# EAGLE board 14202-RedBoard-Panel (EAGLE 9.0.1), part 4 of 6 (continued)
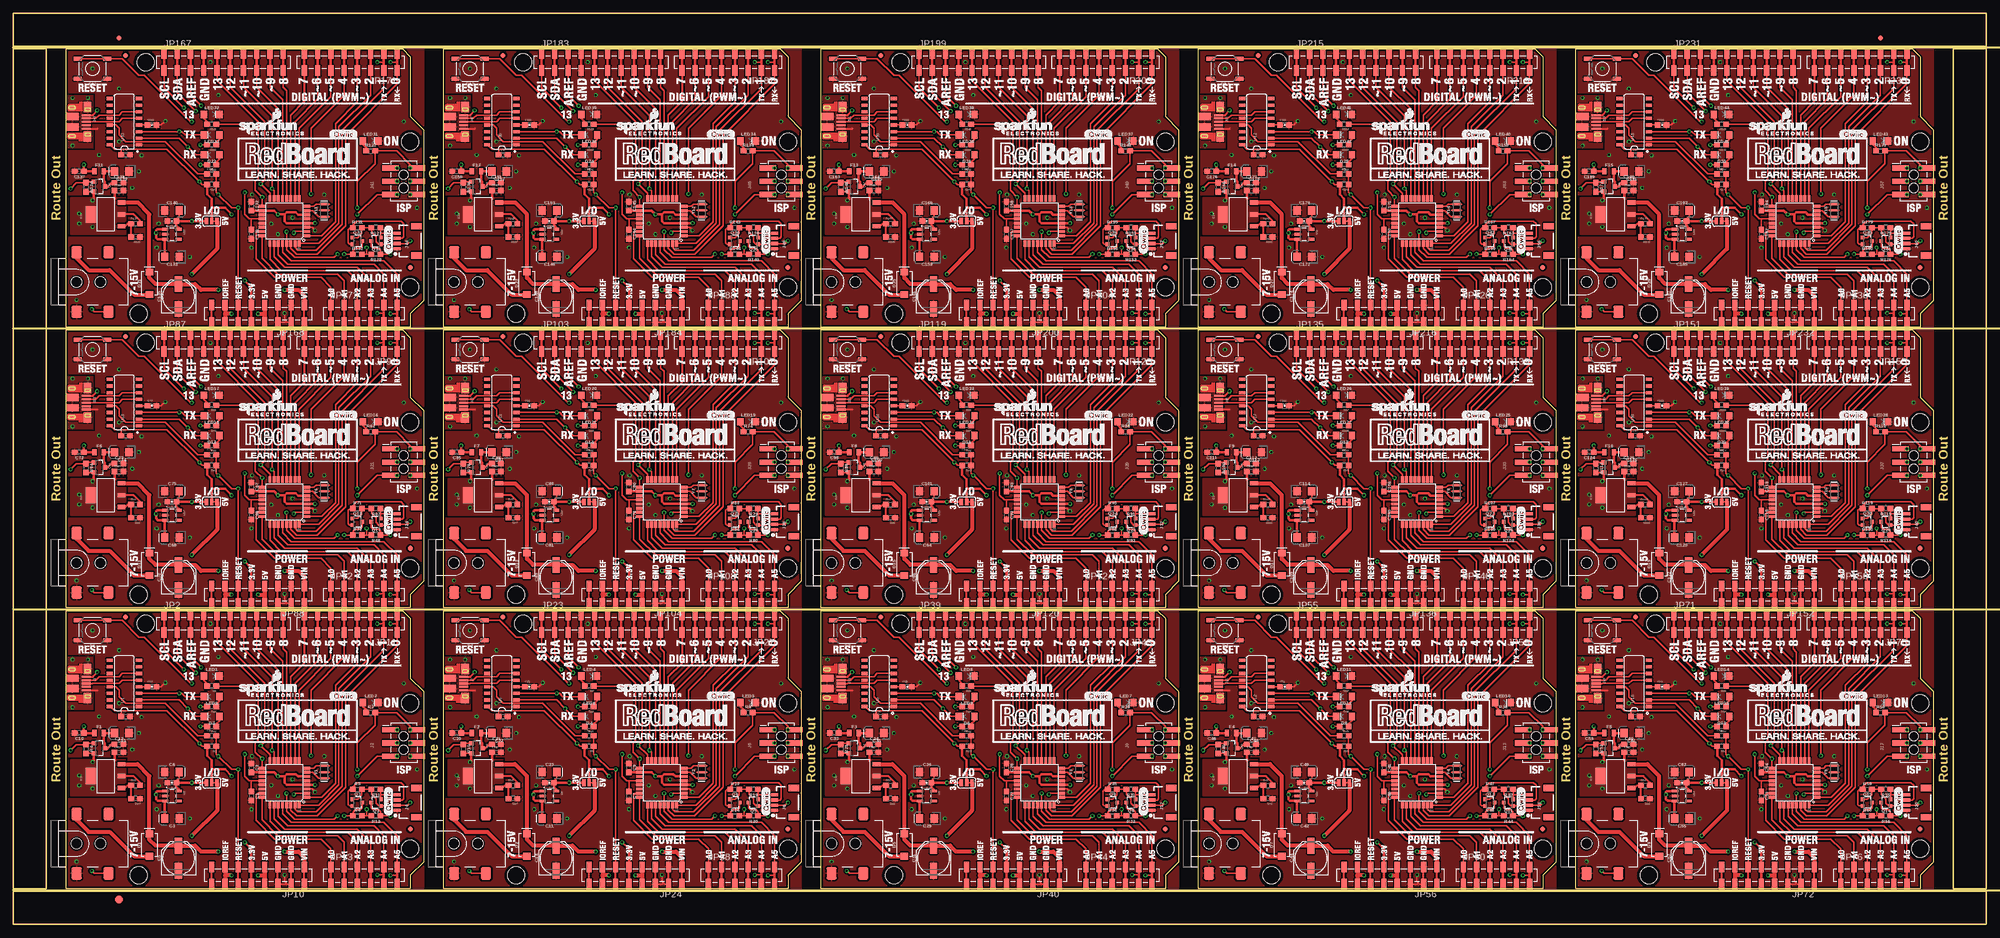
[diagram p0: board, top side]
## Tracks (layer width: path | path; a pad name or v marks a point on that pad's centre or on a via) (continued)
MISO  (via drill 0.38, 0.38 pad 0.51)
  Top 0.254: JP2.6A JP2.6B
  Top 0.305: U4.16 49.27,32.52 v47.5,34.29 48.26,35.05 48.26,46.23 41.66,52.83 JP2.6B | J2.1 TP4.P$1
  Bottom 0.305: v47.5,34.29 49.4,36.2 68.83,36.2 69.98,37.34 TP4.P$1
  other vias: 73.66,37.34
MISO1  (via drill 0.38, 0.38 pad 0.51)
  Top 0.254: JP23.6A JP23.6B
  Top 0.305: U2.16 121.66,32.52 v119.89,34.29 120.65,35.05 120.65,46.23 114.05,52.83 JP23.6B | J5.1 TP10.P$1
  Bottom 0.305: v119.89,34.29 121.79,36.2 141.22,36.2 142.37,37.34 TP10.P$1
  other vias: 146.05,37.34
MISO2  (via drill 0.38, 0.38 pad 0.51)
  Top 0.254: JP39.6A JP39.6B
  Top 0.305: U7.16 194.05,32.52 v192.28,34.29 193.04,35.05 193.04,46.23 186.44,52.83 JP39.6B | J9.1 TP16.P$1
  Bottom 0.305: v192.28,34.29 194.18,36.2 213.61,36.2 214.76,37.34 TP16.P$1
  other vias: 218.44,37.34
MISO3  (via drill 0.38, 0.38 pad 0.51)
  Top 0.254: JP55.6A JP55.6B
  Top 0.305: U10.16 266.44,32.52 v264.67,34.29 265.43,35.05 265.43,46.23 258.83,52.83 JP55.6B | J13.1 TP22.P$1
  Bottom 0.305: v264.67,34.29 266.57,36.2 286,36.2 287.15,37.34 TP22.P$1
  other vias: 290.83,37.34
MISO4  (via drill 0.38, 0.38 pad 0.51)
  Top 0.254: JP71.6A JP71.6B
  Top 0.305: U13.16 338.83,32.52 v337.06,34.29 337.82,35.05 337.82,46.23 331.22,52.83 JP71.6B | J17.1 TP28.P$1
  Bottom 0.305: v337.06,34.29 338.96,36.2 358.39,36.2 359.54,37.34 TP28.P$1
  other vias: 363.22,37.34
MISO5  (via drill 0.38, 0.38 pad 0.51)
  Top 0.254: JP87.6A JP87.6B
  Top 0.305: U16.16 49.27,86.37 v47.5,88.14 48.26,88.9 48.26,100.08 41.66,106.68 JP87.6B | J21.1 TP34.P$1
  Bottom 0.305: v47.5,88.14 49.4,90.04 68.83,90.04 69.98,91.19 TP34.P$1
  other vias: 73.66,91.19
MISO6  (via drill 0.38, 0.38 pad 0.51)
  Top 0.254: JP103.6A JP103.6B
  Top 0.305: U19.16 121.66,86.37 v119.89,88.14 120.65,88.9 120.65,100.08 114.05,106.68 JP103.6B | J25.1 TP40.P$1
  Bottom 0.305: v119.89,88.14 121.79,90.04 141.22,90.04 142.37,91.19 TP40.P$1
  other vias: 146.05,91.19
MISO7  (via drill 0.38, 0.38 pad 0.51)
  Top 0.254: JP119.6A JP119.6B
  Top 0.305: U22.16 194.05,86.37 v192.28,88.14 193.04,88.9 193.04,100.08 186.44,106.68 JP119.6B | J29.1 TP46.P$1
  Bottom 0.305: v192.28,88.14 194.18,90.04 213.61,90.04 214.76,91.19 TP46.P$1
  other vias: 218.44,91.19
MISO8  (via drill 0.38, 0.38 pad 0.51)
  Top 0.254: JP135.6A JP135.6B
  Top 0.305: U25.16 266.44,86.37 v264.67,88.14 265.43,88.9 265.43,100.08 258.83,106.68 JP135.6B | J33.1 TP52.P$1
  Bottom 0.305: v264.67,88.14 266.57,90.04 286,90.04 287.15,91.19 TP52.P$1
  other vias: 290.83,91.19
MISO9  (via drill 0.38, 0.38 pad 0.51)
  Top 0.254: JP151.6A JP151.6B
  Top 0.305: U28.16 338.83,86.37 v337.06,88.14 337.82,88.9 337.82,100.08 331.22,106.68 JP151.6B | J37.1 TP58.P$1
  Bottom 0.305: v337.06,88.14 338.96,90.04 358.39,90.04 359.54,91.19 TP58.P$1
  other vias: 363.22,91.19
MISO10  (via drill 0.38, 0.38 pad 0.51)
  Top 0.254: JP167.6A JP167.6B
  Top 0.305: U31.16 49.27,140.21 v47.5,141.99 48.26,142.75 48.26,153.92 41.66,160.53 JP167.6B | J41.1 TP64.P$1
  Bottom 0.305: v47.5,141.99 49.4,143.89 68.83,143.89 69.98,145.03 TP64.P$1
  other vias: 73.66,145.03
MISO11  (via drill 0.38, 0.38 pad 0.51)
  Top 0.254: JP183.6A JP183.6B
  Top 0.305: U34.16 121.66,140.21 v119.89,141.99 120.65,142.75 120.65,153.92 114.05,160.53 JP183.6B | J45.1 TP70.P$1
  Bottom 0.305: v119.89,141.99 121.79,143.89 141.22,143.89 142.37,145.03 TP70.P$1
  other vias: 146.05,145.03
MISO12  (via drill 0.38, 0.38 pad 0.51)
  Top 0.254: JP199.6A JP199.6B
  Top 0.305: U37.16 194.05,140.21 v192.28,141.99 193.04,142.75 193.04,153.92 186.44,160.53 JP199.6B | J49.1 TP76.P$1
  Bottom 0.305: v192.28,141.99 194.18,143.89 213.61,143.89 214.76,145.03 TP76.P$1
  other vias: 218.44,145.03
MISO13  (via drill 0.38, 0.38 pad 0.51)
  Top 0.254: JP215.6A JP215.6B
  Top 0.305: U40.16 266.44,140.21 v264.67,141.99 265.43,142.75 265.43,153.92 258.83,160.53 JP215.6B | J53.1 TP82.P$1
  Bottom 0.305: v264.67,141.99 266.57,143.89 286,143.89 287.15,145.03 TP82.P$1
  other vias: 290.83,145.03
MISO14  (via drill 0.38, 0.38 pad 0.51)
  Top 0.254: JP231.6A JP231.6B
  Top 0.305: U43.16 338.83,140.21 v337.06,141.99 337.82,142.75 337.82,153.92 331.22,160.53 JP231.6B | J57.1 TP88.P$1
  Bottom 0.305: v337.06,141.99 338.96,143.89 358.39,143.89 359.54,145.03 TP88.P$1
  other vias: 363.22,145.03
MOSI  (via drill 0.38, 0.38 pad 0.51)
  Top 0.254: JP2.7A JP2.7B
  Top 0.305: U4.15 50.07,32.99 v49.66,33.4 49.66,47.37 44.2,52.83 JP2.7B | J2.4 TP2.P$1
  Bottom 0.305: v49.66,33.4 67.06,33.4 71.12,29.34 75.06,29.34 77.47,31.75 77.47,34.29 76.96,34.8 TP2.P$1
  other vias: 76.2,34.8
MOSI1  (via drill 0.38, 0.38 pad 0.51)
  Top 0.254: JP23.7A JP23.7B
  Top 0.305: U2.15 122.46,32.99 v122.05,33.4 122.05,47.37 116.59,52.83 JP23.7B | J5.4 TP8.P$1
  Bottom 0.305: v122.05,33.4 139.45,33.4 143.51,29.34 147.45,29.34 149.86,31.75 149.86,34.29 149.35,34.8 TP8.P$1
  other vias: 148.59,34.8
MOSI2  (via drill 0.38, 0.38 pad 0.51)
  Top 0.254: JP39.7A JP39.7B
  Top 0.305: U7.15 194.85,32.99 v194.44,33.4 194.44,47.37 188.98,52.83 JP39.7B | J9.4 TP14.P$1
  Bottom 0.305: v194.44,33.4 211.84,33.4 215.9,29.34 219.84,29.34 222.25,31.75 222.25,34.29 221.74,34.8 TP14.P$1
  other vias: 220.98,34.8
MOSI3  (via drill 0.38, 0.38 pad 0.51)
  Top 0.254: JP55.7A JP55.7B
  Top 0.305: U10.15 267.24,32.99 v266.83,33.4 266.83,47.37 261.37,52.83 JP55.7B | J13.4 TP20.P$1
  Bottom 0.305: v266.83,33.4 284.23,33.4 288.29,29.34 292.23,29.34 294.64,31.75 294.64,34.29 294.13,34.8 TP20.P$1
  other vias: 293.37,34.8
MOSI4  (via drill 0.38, 0.38 pad 0.51)
  Top 0.254: JP71.7A JP71.7B
  Top 0.305: U13.15 339.63,32.99 v339.22,33.4 339.22,47.37 333.76,52.83 JP71.7B | J17.4 TP26.P$1
  Bottom 0.305: v339.22,33.4 356.62,33.4 360.68,29.34 364.62,29.34 367.03,31.75 367.03,34.29 366.52,34.8 TP26.P$1
  other vias: 365.76,34.8
MOSI5  (via drill 0.38, 0.38 pad 0.51)
  Top 0.254: JP87.7A JP87.7B
  Top 0.305: U16.15 50.07,86.84 v49.66,87.25 49.66,101.22 44.2,106.68 JP87.7B | J21.4 TP32.P$1
  Bottom 0.305: v49.66,87.25 67.06,87.25 71.12,83.19 75.06,83.19 77.47,85.6 77.47,88.14 76.96,88.65 TP32.P$1
  other vias: 76.2,88.65
MOSI6  (via drill 0.38, 0.38 pad 0.51)
  Top 0.254: JP103.7A JP103.7B
  Top 0.305: U19.15 122.46,86.84 v122.05,87.25 122.05,101.22 116.59,106.68 JP103.7B | J25.4 TP38.P$1
  Bottom 0.305: v122.05,87.25 139.45,87.25 143.51,83.19 147.45,83.19 149.86,85.6 149.86,88.14 149.35,88.65 TP38.P$1
  other vias: 148.59,88.65
MOSI7  (via drill 0.38, 0.38 pad 0.51)
  Top 0.254: JP119.7A JP119.7B
  Top 0.305: U22.15 194.85,86.84 v194.44,87.25 194.44,101.22 188.98,106.68 JP119.7B | J29.4 TP44.P$1
  Bottom 0.305: v194.44,87.25 211.84,87.25 215.9,83.19 219.84,83.19 222.25,85.6 222.25,88.14 221.74,88.65 TP44.P$1
  other vias: 220.98,88.65
MOSI8  (via drill 0.38, 0.38 pad 0.51)
  Top 0.254: JP135.7A JP135.7B
  Top 0.305: U25.15 267.24,86.84 v266.83,87.25 266.83,101.22 261.37,106.68 JP135.7B | J33.4 TP50.P$1
  Bottom 0.305: v266.83,87.25 284.23,87.25 288.29,83.19 292.23,83.19 294.64,85.6 294.64,88.14 294.13,88.65 TP50.P$1
  other vias: 293.37,88.65
MOSI9  (via drill 0.38, 0.38 pad 0.51)
  Top 0.254: JP151.7A JP151.7B
  Top 0.305: U28.15 339.63,86.84 v339.22,87.25 339.22,101.22 333.76,106.68 JP151.7B | J37.4 TP56.P$1
  Bottom 0.305: v339.22,87.25 356.62,87.25 360.68,83.19 364.62,83.19 367.03,85.6 367.03,88.14 366.52,88.65 TP56.P$1
  other vias: 365.76,88.65
MOSI10  (via drill 0.38, 0.38 pad 0.51)
  Top 0.254: JP167.7A JP167.7B
  Top 0.305: U31.15 50.07,140.68 v49.66,141.1 49.66,155.07 44.2,160.53 JP167.7B | J41.4 TP62.P$1
  Bottom 0.305: v49.66,141.1 67.06,141.1 71.12,137.03 75.06,137.03 77.47,139.45 77.47,141.99 76.96,142.49 TP62.P$1
  other vias: 76.2,142.49
MOSI11  (via drill 0.38, 0.38 pad 0.51)
  Top 0.254: JP183.7A JP183.7B
  Top 0.305: U34.15 122.46,140.68 v122.05,141.1 122.05,155.07 116.59,160.53 JP183.7B | J45.4 TP68.P$1
  Bottom 0.305: v122.05,141.1 139.45,141.1 143.51,137.03 147.45,137.03 149.86,139.45 149.86,141.99 149.35,142.49 TP68.P$1
  other vias: 148.59,142.49
MOSI12  (via drill 0.38, 0.38 pad 0.51)
  Top 0.254: JP199.7A JP199.7B
  Top 0.305: U37.15 194.85,140.68 v194.44,141.1 194.44,155.07 188.98,160.53 JP199.7B | J49.4 TP74.P$1
  Bottom 0.305: v194.44,141.1 211.84,141.1 215.9,137.03 219.84,137.03 222.25,139.45 222.25,141.99 221.74,142.49 TP74.P$1
  other vias: 220.98,142.49
MOSI13  (via drill 0.38, 0.38 pad 0.51)
  Top 0.254: JP215.7A JP215.7B
  Top 0.305: U40.15 267.24,140.68 v266.83,141.1 266.83,155.07 261.37,160.53 JP215.7B | J53.4 TP80.P$1
  Bottom 0.305: v266.83,141.1 284.23,141.1 288.29,137.03 292.23,137.03 294.64,139.45 294.64,141.99 294.13,142.49 TP80.P$1
  other vias: 293.37,142.49
MOSI14  (via drill 0.38, 0.38 pad 0.51)
  Top 0.254: JP231.7A JP231.7B
  Top 0.305: U43.15 339.63,140.68 v339.22,141.1 339.22,155.07 333.76,160.53 JP231.7B | J57.4 TP86.P$1
  Bottom 0.305: v339.22,141.1 356.62,141.1 360.68,137.03 364.62,137.03 367.03,139.45 367.03,141.99 366.52,142.49 TP86.P$1
  other vias: 365.76,142.49
N$1
  Top 0.305: R1.2 37.25,46.19 36.6,46.84 LED1.A
N$2
  Top 0.356: R2.1 67.73,41.24 67.08,41.89 LED2.A
N$3
  Top 0.305: U4.7 57.44,29.18 58.6,28.01 Y1.1
N$4
  Top 0.305: U4.8 57.66,29.98 58.1,30.41 Y1.3
N$5
  Top 0.305: R16.1 38.95,42.25 39.6,42.9 LED5.A
N$6
  Top 0.254: U1.4 C17.1
N$7  (via drill 0.38)
  Top 0.305: Q2.3 68.71,23.33 68.71,22.35 69.09,21.97 70.1,21.97 70.48,21.59 70.48,20.87 R13.1 v72.39,20.83
  Bottom 0.305: JP12.1 v72.39,20.83
N$8  (via drill 0.38)
  Top 0.305: v63.5,20.83 R6.1 65.19,21.5 65.66,21.97 66.55,21.97 66.97,22.39 Q3.3
  Bottom 0.305: JP14.1 v63.5,20.83
N$9
  Top 0.305: R12.1 38.95,38.44 39.6,39.09 D3.A
N$10
  Top 0.356: R8.1 140.12,41.24 139.47,41.89 LED3.A
N$11
  Top 0.305: R7.2 109.64,46.19 108.99,46.84 LED4.A
N$12
  Top 0.406: IC1.1 93.87,26.18 94.36,26.67 R18.1 R17.2
N$13
  Top 0.254: J1.D- 15.86,46.85 16.51,47.5 20.32,47.5 20.95,48.13 U1.6
N$14
  Top 0.254: J1.D+ 14.99,46.2 15.21,46.2 15.24,46.23 20.32,46.23 20.95,46.86 U1.5
N$15
  Top 0.406: IC3.1 21.48,26.18 21.97,26.67 R15.1 R14.2
N$16
  Top 0.305: U2.7 129.83,29.18 130.99,28.01 Y2.1
N$17
  Top 0.305: U2.8 130.05,29.98 130.49,30.41 Y2.3
N$18
  Top 0.305: R22.1 111.34,42.25 111.99,42.9 LED6.A
N$19
  Top 0.305: R21.1 111.34,38.44 111.99,39.09 D4.A
N$20
  Top 0.254: J7.D- 88.25,46.85 88.9,47.5 92.71,47.5 93.34,48.13 U6.6
N$21
  Top 0.254: J7.D+ 87.38,46.2 87.6,46.2 87.63,46.23 92.71,46.23 93.34,46.86 U6.5
N$22
  Top 0.254: U6.4 C25.1
N$23  (via drill 0.38)
  Top 0.305: v135.89,20.83 R24.1 137.58,21.5 138.05,21.97 138.94,21.97 139.35,22.39 Q6.3
  Bottom 0.305: JP30.1 v135.89,20.83
N$24  (via drill 0.38)
  Top 0.305: Q5.3 141.1,23.33 141.1,22.35 141.48,21.97 142.49,21.97 142.88,21.59 142.88,20.87 R20.1 v144.78,20.83
  Bottom 0.305: JP29.1 v144.78,20.83
N$25
  Top 0.356: R26.1 212.51,41.24 211.86,41.89 LED7.A
N$26
  Top 0.305: R25.2 182.03,46.19 181.38,46.84 LED8.A
N$27
  Top 0.406: IC2.1 166.26,26.18 166.75,26.67 R30.1 R29.2
N$28
  Top 0.305: U7.7 202.22,29.18 203.38,28.01 Y3.1
N$29
  Top 0.305: U7.8 202.44,29.98 202.88,30.41 Y3.3
N$30
  Top 0.305: R34.1 183.73,42.25 184.38,42.9 LED9.A
N$31
  Top 0.305: R33.1 183.73,38.44 184.38,39.09 D6.A
N$32
  Top 0.254: J11.D- 160.64,46.85 161.29,47.5 165.1,47.5 165.73,48.13 U9.6
N$33
  Top 0.254: J11.D+ 159.77,46.2 159.99,46.2 160.02,46.23 165.1,46.23 165.73,46.86 U9.5
N$34
  Top 0.254: U9.4 C38.1
N$35  (via drill 0.38)
  Top 0.305: v208.28,20.83 R36.1 209.97,21.5 210.44,21.97 211.33,21.97 211.75,22.39 Q9.3
  Bottom 0.305: JP46.1 v208.28,20.83
N$36  (via drill 0.38)
  Top 0.305: Q8.3 213.49,23.33 213.49,22.35 213.87,21.97 214.88,21.97 215.26,21.59 215.26,20.87 R32.1 v217.17,20.83
  Bottom 0.305: JP45.1 v217.17,20.83
N$37
  Top 0.356: R38.1 284.9,41.24 284.25,41.89 LED10.A
N$38
  Top 0.305: R37.2 254.42,46.19 253.77,46.84 LED11.A
N$39
  Top 0.406: IC4.1 238.65,26.18 239.14,26.67 R42.1 R41.2
N$40
  Top 0.305: U10.7 274.61,29.18 275.77,28.01 Y4.1
N$41
  Top 0.305: U10.8 274.83,29.98 275.27,30.41 Y4.3
N$42
  Top 0.305: R46.1 256.12,42.25 256.77,42.9 LED12.A
N$43
  Top 0.305: R45.1 256.12,38.44 256.77,39.09 D8.A
N$44
  Top 0.254: J15.D- 233.03,46.85 233.68,47.5 237.49,47.5 238.12,48.13 U12.6
N$45
  Top 0.254: J15.D+ 232.16,46.2 232.38,46.2 232.41,46.23 237.49,46.23 238.12,46.86 U12.5
N$46
  Top 0.254: U12.4 C51.1
N$47  (via drill 0.38)
  Top 0.305: v280.67,20.83 R48.1 282.36,21.5 282.83,21.97 283.72,21.97 284.14,22.39 Q12.3
  Bottom 0.305: JP62.1 v280.67,20.83
N$48  (via drill 0.38)
  Top 0.305: Q11.3 285.88,23.33 285.88,22.35 286.26,21.97 287.27,21.97 287.66,21.59 287.66,20.87 R44.1 v289.56,20.83
  Bottom 0.305: JP61.1 v289.56,20.83
N$49
  Top 0.356: R50.1 357.29,41.24 356.64,41.89 LED13.A
N$50
  Top 0.305: R49.2 326.81,46.19 326.16,46.84 LED14.A
N$51
  Top 0.406: IC5.1 311.04,26.18 311.53,26.67 R54.1 R53.2
N$52
  Top 0.305: U13.7 347,29.18 348.16,28.01 Y5.1
N$53
  Top 0.305: U13.8 347.22,29.98 347.66,30.41 Y5.3
N$54
  Top 0.305: R58.1 328.51,42.25 329.16,42.9 LED15.A
N$55
  Top 0.305: R57.1 328.51,38.44 329.16,39.09 D10.A
N$56
  Top 0.254: J19.D- 305.42,46.85 306.07,47.5 309.88,47.5 310.52,48.13 U15.6
N$57
  Top 0.254: J19.D+ 304.55,46.2 304.77,46.2 304.8,46.23 309.88,46.23 310.52,46.86 U15.5
N$58
  Top 0.254: U15.4 C64.1
N$59  (via drill 0.38)
  Top 0.305: v353.06,20.83 R60.1 354.75,21.5 355.22,21.97 356.11,21.97 356.53,22.39 Q15.3
  Bottom 0.305: JP78.1 v353.06,20.83
N$60  (via drill 0.38)
  Top 0.305: Q14.3 358.27,23.33 358.27,22.35 358.65,21.97 359.66,21.97 360.05,21.59 360.05,20.87 R56.1 v361.95,20.83
  Bottom 0.305: JP77.1 v361.95,20.83
N$61
  Top 0.356: R62.1 67.73,95.08 67.08,95.73 LED16.A
N$62
  Top 0.305: R61.2 37.25,100.04 36.6,100.69 LED17.A
N$63
  Top 0.406: IC6.1 21.48,80.03 21.97,80.52 R66.1 R65.2
N$64
  Top 0.305: U16.7 57.44,83.03 58.6,81.86 Y6.1
N$65
  Top 0.305: U16.8 57.66,83.83 58.1,84.26 Y6.3
N$66
  Top 0.305: R70.1 38.95,96.1 39.6,96.75 LED18.A
N$67
  Top 0.305: R69.1 38.95,92.29 39.6,92.94 D12.A
N$68
  Top 0.254: J23.D- 15.86,100.7 16.51,101.35 20.32,101.35 20.95,101.98 U18.6
N$69
  Top 0.254: J23.D+ 14.99,100.05 15.21,100.05 15.24,100.08 20.32,100.08 20.95,100.71 U18.5
N$70
  Top 0.254: U18.4 C77.1
N$71  (via drill 0.38)
  Top 0.305: v63.5,74.68 R72.1 65.19,75.35 65.66,75.82 66.55,75.82 66.97,76.24 Q18.3
  Bottom 0.305: JP94.1 v63.5,74.68
N$72  (via drill 0.38)
  Top 0.305: Q17.3 68.71,77.18 68.71,76.2 69.09,75.82 70.1,75.82 70.48,75.44 70.48,74.72 R68.1 v72.39,74.68
  Bottom 0.305: JP93.1 v72.39,74.68
N$73
  Top 0.356: R74.1 140.12,95.08 139.47,95.73 LED19.A
N$74
  Top 0.305: R73.2 109.64,100.04 108.99,100.69 LED20.A
N$75
  Top 0.406: IC7.1 93.87,80.03 94.36,80.52 R78.1 R77.2
N$76
  Top 0.305: U19.7 129.83,83.03 130.99,81.86 Y7.1
N$77
  Top 0.305: U19.8 130.05,83.83 130.49,84.26 Y7.3
N$78
  Top 0.305: R82.1 111.34,96.1 111.99,96.75 LED21.A
N$79
  Top 0.305: R81.1 111.34,92.29 111.99,92.94 D14.A
N$80
  Top 0.254: J27.D- 88.25,100.7 88.9,101.35 92.71,101.35 93.34,101.98 U21.6
N$81
  Top 0.254: J27.D+ 87.38,100.05 87.6,100.05 87.63,100.08 92.71,100.08 93.34,100.71 U21.5
N$82
  Top 0.254: U21.4 C90.1
N$83  (via drill 0.38)
  Top 0.305: v135.89,74.68 R84.1 137.58,75.35 138.05,75.82 138.94,75.82 139.35,76.24 Q21.3
  Bottom 0.305: JP110.1 v135.89,74.68
N$84  (via drill 0.38)
  Top 0.305: Q20.3 141.1,77.18 141.1,76.2 141.48,75.82 142.49,75.82 142.88,75.44 142.88,74.72 R80.1 v144.78,74.68
  Bottom 0.305: JP109.1 v144.78,74.68
N$85
  Top 0.356: R86.1 212.51,95.08 211.86,95.73 LED22.A
N$86
  Top 0.305: R85.2 182.03,100.04 181.38,100.69 LED23.A
N$87
  Top 0.406: IC8.1 166.26,80.03 166.75,80.52 R90.1 R89.2
N$88
  Top 0.305: U22.7 202.22,83.03 203.38,81.86 Y8.1
N$89
  Top 0.305: U22.8 202.44,83.83 202.88,84.26 Y8.3
N$90
  Top 0.305: R94.1 183.73,96.1 184.38,96.75 LED24.A
N$91
  Top 0.305: R93.1 183.73,92.29 184.38,92.94 D16.A
N$92
  Top 0.254: J31.D- 160.64,100.7 161.29,101.35 165.1,101.35 165.73,101.98 U24.6
N$93
  Top 0.254: J31.D+ 159.77,100.05 159.99,100.05 160.02,100.08 165.1,100.08 165.73,100.71 U24.5
N$94
  Top 0.254: U24.4 C103.1
N$95  (via drill 0.38)
  Top 0.305: v208.28,74.68 R96.1 209.97,75.35 210.44,75.82 211.33,75.82 211.75,76.24 Q24.3
  Bottom 0.305: JP126.1 v208.28,74.68
N$96  (via drill 0.38)
  Top 0.305: Q23.3 213.49,77.18 213.49,76.2 213.87,75.82 214.88,75.82 215.26,75.44 215.26,74.72 R92.1 v217.17,74.68
  Bottom 0.305: JP125.1 v217.17,74.68
N$97
  Top 0.356: R98.1 284.9,95.08 284.25,95.73 LED25.A
N$98
  Top 0.305: R97.2 254.42,100.04 253.77,100.69 LED26.A
N$99
  Top 0.406: IC9.1 238.65,80.03 239.14,80.52 R102.1 R101.2
N$100
  Top 0.305: U25.7 274.61,83.03 275.77,81.86 Y9.1
N$101
  Top 0.305: U25.8 274.83,83.83 275.27,84.26 Y9.3
N$102
  Top 0.305: R106.1 256.12,96.1 256.77,96.75 LED27.A
N$103
  Top 0.305: R105.1 256.12,92.29 256.77,92.94 D18.A
N$104
  Top 0.254: J35.D- 233.03,100.7 233.68,101.35 237.49,101.35 238.12,101.98 U27.6
N$105
  Top 0.254: J35.D+ 232.16,100.05 232.38,100.05 232.41,100.08 237.49,100.08 238.12,100.71 U27.5
N$106
  Top 0.254: U27.4 C116.1
N$107  (via drill 0.38)
  Top 0.305: v280.67,74.68 R108.1 282.36,75.35 282.83,75.82 283.72,75.82 284.14,76.24 Q27.3
  Bottom 0.305: JP142.1 v280.67,74.68
N$108  (via drill 0.38)
  Top 0.305: Q26.3 285.88,77.18 285.88,76.2 286.26,75.82 287.27,75.82 287.66,75.44 287.66,74.72 R104.1 v289.56,74.68
  Bottom 0.305: JP141.1 v289.56,74.68
N$109
  Top 0.356: R110.1 357.29,95.08 356.64,95.73 LED28.A
N$110
  Top 0.305: R109.2 326.81,100.04 326.16,100.69 LED29.A
N$111
  Top 0.406: IC10.1 311.04,80.03 311.53,80.52 R114.1 R113.2
N$112
  Top 0.305: U28.7 347,83.03 348.16,81.86 Y10.1
N$113
  Top 0.305: U28.8 347.22,83.83 347.66,84.26 Y10.3
N$114
  Top 0.305: R118.1 328.51,96.1 329.16,96.75 LED30.A
N$115
  Top 0.305: R117.1 328.51,92.29 329.16,92.94 D20.A
N$116
  Top 0.254: J39.D- 305.42,100.7 306.07,101.35 309.88,101.35 310.52,101.98 U30.6
N$117
  Top 0.254: J39.D+ 304.55,100.05 304.77,100.05 304.8,100.08 309.88,100.08 310.52,100.71 U30.5
N$118
  Top 0.254: U30.4 C129.1
N$119  (via drill 0.38)
  Top 0.305: v353.06,74.68 R120.1 354.75,75.35 355.22,75.82 356.11,75.82 356.53,76.24 Q30.3
  Bottom 0.305: JP158.1 v353.06,74.68
N$120  (via drill 0.38)
  Top 0.305: Q29.3 358.27,77.18 358.27,76.2 358.65,75.82 359.66,75.82 360.05,75.44 360.05,74.72 R116.1 v361.95,74.68
  Bottom 0.305: JP157.1 v361.95,74.68
N$121
  Top 0.356: R122.1 67.73,148.93 67.08,149.58 LED31.A
N$122
  Top 0.305: R121.2 37.25,153.88 36.6,154.53 LED32.A
N$123
  Top 0.406: IC11.1 21.48,133.87 21.97,134.37 R126.1 R125.2
N$124
  Top 0.305: U31.7 57.44,136.87 58.6,135.71 Y11.1
N$125
  Top 0.305: U31.8 57.66,137.67 58.1,138.11 Y11.3
N$126
  Top 0.305: R130.1 38.95,149.95 39.6,150.6 LED33.A
N$127
  Top 0.305: R129.1 38.95,146.14 39.6,146.79 D22.A
N$128
  Top 0.254: J43.D- 15.86,154.54 16.51,155.19 20.32,155.19 20.95,155.83 U33.6
N$129
  Top 0.254: J43.D+ 14.99,153.89 15.21,153.89 15.24,153.92 20.32,153.92 20.95,154.56 U33.5
N$130
  Top 0.254: U33.4 C142.1
N$131  (via drill 0.38)
  Top 0.305: v63.5,128.52 R132.1 65.19,129.2 65.66,129.67 66.55,129.67 66.97,130.08 Q33.3
  Bottom 0.305: JP174.1 v63.5,128.52
N$132  (via drill 0.38)
  Top 0.305: Q32.3 68.71,131.03 68.71,130.05 69.09,129.67 70.1,129.67 70.48,129.29 70.48,128.56 R128.1 v72.39,128.52
  Bottom 0.305: JP173.1 v72.39,128.52
N$133
  Top 0.356: R134.1 140.12,148.93 139.47,149.58 LED34.A
N$134
  Top 0.305: R133.2 109.64,153.88 108.99,154.53 LED35.A
N$135
  Top 0.406: IC12.1 93.87,133.87 94.36,134.37 R138.1 R137.2
N$136
  Top 0.305: U34.7 129.83,136.87 130.99,135.71 Y12.1
N$137
  Top 0.305: U34.8 130.05,137.67 130.49,138.11 Y12.3
N$138
  Top 0.305: R142.1 111.34,149.95 111.99,150.6 LED36.A
N$139
  Top 0.305: R141.1 111.34,146.14 111.99,146.79 D24.A
N$140
  Top 0.254: J47.D- 88.25,154.54 88.9,155.19 92.71,155.19 93.34,155.83 U36.6
N$141
  Top 0.254: J47.D+ 87.38,153.89 87.6,153.89 87.63,153.92 92.71,153.92 93.34,154.56 U36.5
N$142
  Top 0.254: U36.4 C155.1
N$143  (via drill 0.38)
  Top 0.305: v135.89,128.52 R144.1 137.58,129.2 138.05,129.67 138.94,129.67 139.35,130.08 Q36.3
  Bottom 0.305: JP190.1 v135.89,128.52
N$144  (via drill 0.38)
  Top 0.305: Q35.3 141.1,131.03 141.1,130.05 141.48,129.67 142.49,129.67 142.88,129.29 142.88,128.56 R140.1 v144.78,128.52
  Bottom 0.305: JP189.1 v144.78,128.52
N$145
  Top 0.356: R146.1 212.51,148.93 211.86,149.58 LED37.A
N$146
  Top 0.305: R145.2 182.03,153.88 181.38,154.53 LED38.A
N$147
  Top 0.406: IC13.1 166.26,133.87 166.75,134.37 R150.1 R149.2
N$148
  Top 0.305: U37.7 202.22,136.87 203.38,135.71 Y13.1
N$149
  Top 0.305: U37.8 202.44,137.67 202.88,138.11 Y13.3
N$150
  Top 0.305: R154.1 183.73,149.95 184.38,150.6 LED39.A
N$151
  Top 0.305: R153.1 183.73,146.14 184.38,146.79 D26.A
N$152
  Top 0.254: J51.D- 160.64,154.54 161.29,155.19 165.1,155.19 165.73,155.83 U39.6
N$153
  Top 0.254: J51.D+ 159.77,153.89 159.99,153.89 160.02,153.92 165.1,153.92 165.73,154.56 U39.5
N$154
  Top 0.254: U39.4 C168.1
N$155  (via drill 0.38)
  Top 0.305: v208.28,128.52 R156.1 209.97,129.2 210.44,129.67 211.33,129.67 211.75,130.08 Q39.3
  Bottom 0.305: JP206.1 v208.28,128.52
N$156  (via drill 0.38)
  Top 0.305: Q38.3 213.49,131.03 213.49,130.05 213.87,129.67 214.88,129.67 215.26,129.29 215.26,128.56 R152.1 v217.17,128.52
  Bottom 0.305: JP205.1 v217.17,128.52
N$157
  Top 0.356: R158.1 284.9,148.93 284.25,149.58 LED40.A
N$158
  Top 0.305: R157.2 254.42,153.88 253.77,154.53 LED41.A
N$159
  Top 0.406: IC14.1 238.65,133.87 239.14,134.37 R162.1 R161.2
N$160
  Top 0.305: U40.7 274.61,136.87 275.77,135.71 Y14.1
N$161
  Top 0.305: U40.8 274.83,137.67 275.27,138.11 Y14.3
N$162
  Top 0.305: R166.1 256.12,149.95 256.77,150.6 LED42.A
N$163
  Top 0.305: R165.1 256.12,146.14 256.77,146.79 D28.A
N$164
  Top 0.254: J55.D- 233.03,154.54 233.68,155.19 237.49,155.19 238.12,155.83 U42.6
N$165
  Top 0.254: J55.D+ 232.16,153.89 232.38,153.89 232.41,153.92 237.49,153.92 238.12,154.56 U42.5
N$166
  Top 0.254: U42.4 C181.1
N$167  (via drill 0.38)
  Top 0.305: v280.67,128.52 R168.1 282.36,129.2 282.83,129.67 283.72,129.67 284.14,130.08 Q42.3
  Bottom 0.305: JP222.1 v280.67,128.52
N$168  (via drill 0.38)
  Top 0.305: Q41.3 285.88,131.03 285.88,130.05 286.26,129.67 287.27,129.67 287.66,129.29 287.66,128.56 R164.1 v289.56,128.52
  Bottom 0.305: JP221.1 v289.56,128.52
N$169
  Top 0.356: R170.1 357.29,148.93 356.64,149.58 LED43.A
N$170
  Top 0.305: R169.2 326.81,153.88 326.16,154.53 LED44.A
N$171
  Top 0.406: IC15.1 311.04,133.87 311.53,134.37 R174.1 R173.2
N$172
  Top 0.305: U43.7 347,136.87 348.16,135.71 Y15.1
N$173
  Top 0.305: U43.8 347.22,137.67 347.66,138.11 Y15.3
N$174
  Top 0.305: R178.1 328.51,149.95 329.16,150.6 LED45.A
N$175
  Top 0.305: R177.1 328.51,146.14 329.16,146.79 D30.A
N$176
  Top 0.254: J59.D- 305.42,154.54 306.07,155.19 309.88,155.19 310.52,155.83 U45.6
N$177
  Top 0.254: J59.D+ 304.55,153.89 304.77,153.89 304.8,153.92 309.88,153.92 310.52,154.56 U45.5
N$178
  Top 0.254: U45.4 C194.1
N$179  (via drill 0.38)
  Top 0.305: v353.06,128.52 R180.1 354.75,129.2 355.22,129.67 356.11,129.67 356.53,130.08 Q45.3
  Bottom 0.305: JP238.1 v353.06,128.52
N$180  (via drill 0.38)
  Top 0.305: Q44.3 358.27,131.03 358.27,130.05 358.65,129.67 359.66,129.67 360.05,129.29 360.05,128.56 R176.1 v361.95,128.52
  Bottom 0.305: JP237.1 v361.95,128.52
PWRIN
  Top 0.762: 18.54,17.78 23.23,13.09 D1.A
  Top 0.813: 18.54,17.78 14.48,17.78 12.19,20.07 J3.VIN0
PWRIN1
  Top 0.762: 90.93,17.78 95.62,13.09 D2.A
  Top 0.813: 90.93,17.78 86.87,17.78 84.58,20.07 J6.VIN0
PWRIN2
  Top 0.762: 163.32,17.78 168.01,13.09 D5.A
  Top 0.813: 163.32,17.78 159.26,17.78 156.97,20.07 J10.VIN0
PWRIN3
  Top 0.762: 235.71,17.78 240.4,13.09 D7.A
  Top 0.813: 235.71,17.78 231.65,17.78 229.36,20.07 J14.VIN0
PWRIN4
  Top 0.762: 308.1,17.78 312.79,13.09 D9.A
  Top 0.813: 308.1,17.78 304.04,17.78 301.75,20.07 J18.VIN0
PWRIN5
  Top 0.762: 18.54,71.63 23.23,66.94 D11.A
  Top 0.813: 18.54,71.63 14.48,71.63 12.19,73.91 J22.VIN0
PWRIN6
  Top 0.762: 90.93,71.63 95.62,66.94 D13.A
  Top 0.813: 90.93,71.63 86.87,71.63 84.58,73.91 J26.VIN0
PWRIN7
  Top 0.762: 163.32,71.63 168.01,66.94 D15.A
  Top 0.813: 163.32,71.63 159.26,71.63 156.97,73.91 J30.VIN0
PWRIN8
  Top 0.762: 235.71,71.63 240.4,66.94 D17.A
  Top 0.813: 235.71,71.63 231.65,71.63 229.36,73.91 J34.VIN0
PWRIN9
  Top 0.762: 308.1,71.63 312.79,66.94 D19.A
  Top 0.813: 308.1,71.63 304.04,71.63 301.75,73.91 J38.VIN0
PWRIN10
  Top 0.762: 18.54,125.48 23.23,120.79 D21.A
  Top 0.813: 18.54,125.48 14.48,125.48 12.19,127.76 J42.VIN0
PWRIN11
  Top 0.762: 90.93,125.48 95.62,120.79 D23.A
  Top 0.813: 90.93,125.48 86.87,125.48 84.58,127.76 J46.VIN0
PWRIN12
  Top 0.762: 163.32,125.48 168.01,120.79 D25.A
  Top 0.813: 163.32,125.48 159.26,125.48 156.97,127.76 J50.VIN0
PWRIN13
  Top 0.762: 235.71,125.48 240.4,120.79 D27.A
  Top 0.813: 235.71,125.48 231.65,125.48 229.36,127.76 J54.VIN0
PWRIN14
  Top 0.762: 308.1,125.48 312.79,120.79 D29.A
  Top 0.813: 308.1,125.48 304.04,125.48 301.75,127.76 J58.VIN0
RESET  (via drill 0.38, 0.38 pad 0.51)
  Top 0.254: C8.2 R3.1 38.95,32.68 v39.37,32.26
  Top 0.305: v52.47,25.13 U4.29 52.47,21.7 53.97,20.19 61.59,20.19 v62.23,20.83 | 43.18,7.75 JP10.6 v43.18,29.72 41.91,29.72 v39.37,32.26 | TP6.P$1 J2.5 69.85,32.26 v66.04,28.45 | S1.4 S1.3 20.95,58.29 24.13,55.12 25.15,55.12 34.04,46.23 v34.29,46.23
  Bottom 0.305: v52.47,25.13 52.47,28.05 50.8,29.72 v43.18,29.72 | v39.37,32.26 39.37,41.15 v34.29,46.23 | v62.23,20.83 62.23,24.64 v66.04,28.45
  other vias: 73.66,32.26
RESET1  (via drill 0.38, 0.38 pad 0.51)
  Top 0.254: C19.2 R9.1 111.34,32.68 v111.76,32.26
  Top 0.305: v124.86,25.13 U2.29 124.86,21.7 126.36,20.19 133.99,20.19 v134.62,20.83 | 115.57,7.75 JP24.6 v115.57,29.72 114.3,29.72 v111.76,32.26 | TP12.P$1 J5.5 142.24,32.26 v138.43,28.45 | S2.4 S2.3 93.34,58.29 96.52,55.12 97.54,55.12 106.43,46.23 v106.68,46.23
  Bottom 0.305: v124.86,25.13 124.86,28.05 123.19,29.72 v115.57,29.72 | v111.76,32.26 111.76,41.15 v106.68,46.23 | v134.62,20.83 134.62,24.64 v138.43,28.45
  other vias: 146.05,32.26
RESET2  (via drill 0.38, 0.38 pad 0.51)
  Top 0.254: C32.2 R27.1 183.73,32.68 v184.15,32.26